# KiCad board 8851_HW-U1-VCU118_REV2-0_071417.kicad_pcb (continued)
## Routing (per net, layer and track width the routed paths; a pad name or vN(x,y) marks a point on that pad's centre or on a via; arc(x,y) is an arc through that point) (continued)
FMCP_HSPC_DP11_M2C_P: length 132.7
  TOP w0.102: J22.Z12 v3(91.5,154.5)
  TOP w0.113: 116.87,84 v2(117.36,84.49)
  07_SIG3 w0.107: v2(117.36,84.49) 117.36,84.78 arc(117.39,84.85) 117.47,84.88 117.64,84.88 arc(117.87,84.98) 117.97,85.21 117.97,85.65 arc(117.94,85.8) 117.85,85.92 117.79,85.98 arc(117.69,86.05) 117.57,86.07 116.95,86.07 arc(117.09,86.41) 116.76,86.27 116.76,86.84 arc(116.88,87.47) 117.25,88.01 117.56,88.33 117.69,88.33 117.71,88.35
  07_SIG3 w0.15: v3(91.5,154.5) 91.16,154.16 arc(91.09,154.05) 91.06,153.92 91.06,152.35 arc(91.1,152.14) 91.22,151.97 92.85,150.34 93.31,149.88 arc(94.44,149.12) 95.79,148.85 96.97,148.85 arc(97.29,148.98) 97.42,149.3 97.42,149.39 arc(97.58,149.77) 97.96,149.93 98.45,149.93 arc(98.89,149.74) 99.07,149.3 arc(99.84,149.62) 99.52,148.85 110.66,148.85 arc(111.48,148.69) 112.18,148.22 113.71,146.69 arc(114.11,146.1) 114.25,145.4 arc(114.31,145.09) 114.49,144.83 114.7,144.61 arc(114.9,144.48) 115.13,144.43 115.32,144.43 arc(115.48,144.42) 115.63,144.4 arc(116.03,144.25) 116.37,144 117.2,143.17 arc(117.58,142.6) 117.71,141.93 117.71,140.52 arc(119.84,140.94) 118.04,139.73 119.85,137.91 arc(120.07,137.58) 120.15,137.2 120.15,134.76 arc(120.02,134.1) 119.64,133.53 arc(119.45,133.24) 119.38,132.9 119.38,109.84 arc(119.33,109.56) 119.17,109.32 119.17,109.32 119.07,109.21 arc(118.94,109.01) 118.89,108.78 118.89,104.26 arc(118.81,103.84) 118.57,103.49 117.42,102.34 arc(117.11,102.13) 116.73,102.06 116.36,102.06 arc(116.18,102.02) 116.02,101.91 115.67,101.56 arc(116.46,101.03) 115.53,101.22 115.53,99.2 arc(115.9,99.36) 115.75,98.98 116.45,98.98 arc(116.64,98.94) 116.81,98.83 arc(117.04,98.49) 117.12,98.09 117.12,97.7 arc(116.85,97.06) 116.21,96.8 115.58,96.8 arc(115.47,96.77) 115.37,96.71 115.33,96.67 arc(115.65,96.54) 115.33,96.41 115.38,96.35 arc(115.46,96.3) 115.56,96.28 116.76,96.28 arc(117.06,96.34) 117.32,96.51 117.53,96.72 arc(117.99,96.91) 118.45,96.72 arc(118.65,96.42) 118.72,96.06 118.72,95.22 arc(119.36,95.48) 119.1,94.84 119.59,94.84 arc(120.06,94.67) 120.29,94.22 arc(120.3,94.19) 120.3,94.16 120.3,92.66 arc(120,91.94) 119.28,91.64 119.17,91.64 arc(118.95,91.69) 118.75,91.82 118.64,91.93 arc(118.09,92.16) 117.53,91.93 117.44,91.84 arc(117.23,91.69) 116.97,91.64 116.14,91.64 arc(115.91,91.6) 115.71,91.46 arc(115.6,91.29) 115.56,91.09 115.56,89.88 arc(115.39,89.48) 114.99,89.31 114.85,89.31 arc(114.78,89.3) 114.73,89.26 114.57,89.1 arc(114.48,88.97) 114.45,88.82 arc(115.04,89.06) 114.8,88.47 116.1,88.47 arc(116.27,88.54) 116.34,88.71 116.34,90.47 arc(116.53,90.92) 116.98,91.11 117.34,91.11 arc(117.82,90.91) 118.02,90.43 118.02,88.96 arc(117.97,88.69) 117.81,88.46 117.71,88.35
FMCP_HSPC_DP12_C2M_N: length 167.6
  TOP w0.102: J22.Z29 v3(70.25,154.5)
  TOP w0.113: v2(115.39,82.52) 115.88,82.03
  03_SIG1 w0.107: v2(115.39,82.52) 115.39,82.23 arc(115.38,82.16) 115.34,82.1 arc(115.29,82.07) 115.24,82.06 115.22,82.06 arc(115.16,82.07) 115.11,82.1 115.06,82.16 arc(115.38,82.37) 115,82.3 115,87.88 arc(115.57,87.77) 115.09,88.1
  03_SIG1 w0.15: v3(70.25,154.5) 70.76,154.5 arc(70.84,154.53) 70.87,154.6 70.87,154.74 arc(70.8,154.88) 70.65,154.94 70.14,154.94 arc(69.91,154.84) 69.81,154.61 69.81,153.13 arc(70.64,153.29) 69.94,152.83 77.87,144.89 arc(78.22,144.66) 78.63,144.58 82.05,144.58 arc(82.64,144.46) 83.13,144.13 84.94,142.32 arc(85.26,142.11) 85.64,142.03 86.68,142.03 arc(87.33,141.9) 87.88,141.54 90.39,139.02 arc(91,138.62) 91.7,138.47 96.41,138.47 arc(96.75,138.34) 96.89,138 96.89,137.9 arc(97.26,138.28) 97.64,137.9 arc(97.81,138.31) 98.21,138.47 98.66,138.47 arc(99,138.34) 99.14,138 99.14,137.9 arc(99.51,138.28) 99.89,137.9 arc(100.06,138.31) 100.46,138.47 100.91,138.47 arc(101.25,138.34) 101.39,138 101.39,137.9 arc(101.76,138.28) 102.14,137.9 arc(102.31,138.31) 102.71,138.47 109.4,138.47 arc(109.97,138.24) 110.2,137.67 110.2,137.37 arc(109.99,136.88) 109.5,136.67 103.82,136.67 arc(104.15,136.35) 103.82,136.02 109.5,136.02 arc(109.99,135.82) 110.2,135.32 110.2,135.05 arc(109.99,134.56) 109.5,134.35 106.07,134.35 arc(106.4,134.02) 106.07,133.7 109.5,133.7 arc(110.2,133) 109.5,132.3 108.15,132.3 arc(108.47,131.97) 108.15,131.65 109.5,131.65 arc(109.99,131.44) 110.2,130.95 arc(109.98,130.43) 109.47,130.22 109.14,130.22 arc(109.03,130.17) 108.99,130.07 108.99,129.76 arc(109.24,129.86) 109.14,129.61 109.68,129.61 arc(110.06,129.45) 110.21,129.08 110.21,128.98 arc(112.3,129.39) 110.53,128.21 112.51,126.23 arc(112.7,125.95) 112.77,125.61 112.77,125.03 arc(113.29,125.25) 113.07,124.73 114.41,124.73 arc(114.87,124.53) 115.06,124.07 115.06,122.59 arc(115.56,122.8) 115.36,122.3 115.65,122.3 arc(116.09,122.12) 116.27,121.68 116.27,104.6 arc(116.16,104.07) 115.86,103.63 arc(117.27,102.69) 115.61,103.02 115.61,100.44 arc(118.02,100.92) 115.98,99.56 116.86,98.67 arc(117.07,98.36) 117.15,97.98 117.15,97.29 arc(117.19,97.07) 117.31,96.89 118.44,95.77 arc(118.65,95.45) 118.72,95.08 118.72,93.66 arc(118.5,92.54) 117.87,91.6 116.65,90.38 arc(117.15,90.18) 116.65,89.97 116.68,89.95 arc(116.77,89.72) 116.68,89.49 116.67,89.49 arc(116.48,89.41) 116.29,89.49 116.23,89.55 arc(116.02,89.63) 115.82,89.55 115.47,89.2 arc(115.19,88.77) 115.09,88.27 115.09,88.1
FMCP_HSPC_DP12_C2M_P: length 170
  TOP w0.102: J22.Z28 v3(71.5,154.5)
  TOP w0.113: v2(115.39,81.54) 115.88,81.05
  03_SIG1 w0.107: v2(115.39,81.54) 114.92,82.01 arc(115.57,82.45) 114.8,82.3 114.8,87.88 arc(114.78,88) 114.71,88.1
  03_SIG1 w0.15: v3(71.5,154.5) 71.42,154.5 arc(71.32,154.54) 71.26,154.64 71.24,154.79 arc(71.04,155.16) 70.65,155.31 70.14,155.31 arc(69.64,155.11) 69.44,154.61 69.44,153.13 arc(70.99,153.44) 69.67,152.56 77.6,144.63 arc(78.08,144.31) 78.63,144.2 82.05,144.2 arc(82.49,144.11) 82.87,143.86 84.67,142.06 arc(85.12,141.76) 85.64,141.66 86.68,141.66 arc(87.18,141.56) 87.61,141.27 90.13,138.75 arc(90.85,138.27) 91.7,138.1 96.41,138.1 arc(96.48,138.07) 96.51,138 96.51,137.9 arc(97.26,138.65) 98.01,137.9 arc(98.07,138.04) 98.21,138.1 98.66,138.1 arc(98.73,138.07) 98.76,138 98.76,137.9 arc(99.51,138.65) 100.26,137.9 arc(100.32,138.04) 100.46,138.1 100.91,138.1 arc(100.98,138.07) 101.01,138 101.01,137.9 arc(101.76,138.65) 102.51,137.9 arc(102.57,138.04) 102.71,138.1 109.4,138.1 arc(109.7,137.98) 109.82,137.67 109.82,137.37 arc(109.73,137.14) 109.5,137.05 103.82,137.05 arc(104.52,136.35) 103.82,135.65 109.5,135.65 arc(109.73,135.55) 109.82,135.32 109.82,135.05 arc(109.73,134.82) 109.5,134.72 106.07,134.72 arc(106.77,134.02) 106.07,133.32 109.5,133.32 arc(109.82,133) 109.5,132.67 108.15,132.67 arc(108.85,131.97) 108.15,131.27 109.5,131.27 arc(109.73,131.18) 109.82,130.95 arc(109.72,130.7) 109.47,130.59 109.14,130.59 arc(108.77,130.44) 108.61,130.07 108.61,129.76 arc(109.51,130.13) 109.14,129.23 109.68,129.23 arc(109.79,129.19) 109.84,129.08 109.84,128.98 arc(110.01,128.35) 110.39,127.82 112.25,125.96 arc(112.36,125.8) 112.39,125.61 112.39,125.03 arc(113.56,125.51) 113.07,124.35 114.41,124.35 arc(114.61,124.27) 114.69,124.07 114.69,122.59 arc(115.83,123.06) 115.36,121.92 115.65,121.92 arc(115.82,121.85) 115.89,121.68 115.89,104.6 arc(115.82,104.22) 115.6,103.89 arc(117.62,102.54) 115.24,103.02 115.24,100.44 arc(118.37,101.07) 115.71,99.29 116.6,98.41 arc(116.73,98.21) 116.77,97.98 116.77,97.29 arc(116.84,96.93) 117.05,96.63 118.17,95.5 arc(118.3,95.31) 118.35,95.08 118.35,93.66 arc(118.16,92.69) 117.6,91.86 115.2,89.46 arc(114.84,88.92) 114.71,88.27 114.71,88.1
FMCP_HSPC_DP12_M2C_N: length 152.3
  TOP w0.102: J22.Y15 v3(87.75,153.25)
  TOP w0.113: 115.88,86.95 v2(115.39,87.44)
  05_SIG2 w0.15: v3(87.75,153.25) 88.25,153.25 arc(88.29,153.24) 88.33,153.22 88.33,153.22 arc(88.35,153.19) 88.36,153.15 88.36,152.79 arc(90.89,153.3) 88.74,151.86 88.74,151.86 94.36,146.25 arc(94.46,146.01) 94.36,145.77 93.92,145.33 arc(94.99,145.33) 94.99,144.27 95.42,144.71 arc(95.66,144.81) 95.9,144.71 arc(96,144.47) 95.9,144.23 95.45,143.78 arc(96.51,143.78) 96.51,142.72 96.96,143.17 arc(97.2,143.27) 97.44,143.17 97.97,142.64 arc(98.32,142.37) 98.73,142.21 98.73,142.13 arc(98.92,142.16) 99.11,142.17 arc(99.8,142.03) 100.39,141.64 111.73,130.3 arc(111.82,130.15) 111.86,129.98 111.86,119.82 arc(113.16,120.08) 112.06,119.34 112.68,118.72 arc(113.28,117.99) 113.72,117.17 arc(113.73,117.14) 113.74,117.12 arc(113.76,117.01) 113.77,116.91 113.77,111.86 arc(114.62,112.22) 114.27,111.36 114.57,111.36 arc(114.86,111.42) 115.12,111.59 arc(115.25,111.79) 115.3,112.03 115.3,121.76 arc(115.32,121.88) 115.39,121.99 115.47,122.07 arc(115.49,122.08) 115.5,122.1 arc(115.66,122.14) 115.81,122.07 arc(115.89,121.95) 115.92,121.82 115.92,111.05 arc(115.85,110.89) 115.69,110.83 115.43,110.83 arc(116.13,110.13) 115.43,109.44 115.63,109.44 arc(115.83,109.36) 115.92,109.16 115.92,104.31 arc(115.86,104.18) 115.72,104.12 115.61,104.12 arc(115.83,104.66) 115.29,104.44 115.29,104.65 arc(115.1,105.12) 114.63,105.32 114.54,105.32 arc(114.1,105.13) 113.92,104.7 113.92,104.44 arc(117.57,105.95) 116.06,102.29 116.43,102.29 arc(116.79,102.28) 117.16,102.23 117.29,102.21 arc(117.45,102.15) 117.58,102.05 118.19,101.45 arc(118.27,101.32) 118.3,101.17 118.3,99.28 arc(118.19,99) 117.91,98.89 116.27,98.89 arc(115.5,98.57) 115.19,97.81 115.19,96.92 arc(115.06,96.29) 114.7,95.76 114.36,95.41 arc(114.03,94.92) 113.91,94.33 113.91,93.73 arc(116.77,94.3) 114.35,92.68 115.21,91.82 arc(115.57,91.58) 115.99,91.49 116.69,91.49 arc(117,91.37) 117.13,91.06 117.13,91.05 arc(117.02,90.8) 116.78,90.7 116.75,90.7 arc(116.2,90.47) 115.97,89.93 115.97,89.65 arc(117.1,90.11) 116.63,88.99 117.15,88.99 arc(117.33,88.91) 117.41,88.72 117.41,88.66 arc(117.34,88.48) 117.16,88.41 116.72,88.41 arc(116.29,88.23) 116.11,87.79 116.11,87.32 arc(116.09,87.23) 116.04,87.15 arc(115.93,87.08) 115.81,87.06 115.7,87.06 arc(115.92,87.59) 115.39,87.37 v2(115.39,87.44)
FMCP_HSPC_DP12_M2C_P: length 135.4
  TOP w0.102: J22.Y14 v3(89,153.25)
  TOP w0.113: 115.88,85.97 v2(115.39,86.46)
  05_SIG2 w0.15: v3(89,153.25) 88.82,153.07 arc(89.32,152.74) 88.73,152.86 88.73,152.79 arc(88.8,152.43) 89.01,152.12 94.63,146.51 arc(94.83,146.01) 94.63,145.5 94.19,145.07 arc(94.72,145.07) 94.72,144.54 95.16,144.97 arc(95.66,145.18) 96.16,144.97 arc(96.37,144.47) 96.16,143.97 95.72,143.52 arc(96.25,143.52) 96.25,142.99 96.69,143.43 arc(97.2,143.64) 97.7,143.43 98.23,142.9 arc(98.5,142.7) 98.82,142.57 arc(98.96,142.55) 99.11,142.54 arc(99.94,142.37) 100.65,141.9 111.99,130.56 arc(112.17,130.29) 112.23,129.98 112.23,119.82 arc(112.82,119.94) 112.32,119.61 112.95,118.98 arc(113.59,118.2) 114.06,117.31 arc(114.08,117.28) 114.09,117.24 114.09,117.23 arc(114.13,117.07) 114.14,116.91 114.14,111.86 arc(114.36,111.95) 114.27,111.74 114.57,111.74 arc(114.72,111.77) 114.85,111.86 arc(114.9,111.93) 114.92,112.03 114.92,121.76 arc(114.97,122.03) 115.13,122.26 115.28,122.4 115.29,122.4 arc(115.7,122.51) 116.08,122.33 arc(116.24,122.1) 116.29,121.82 116.29,111.05 arc(116.11,110.63) 115.69,110.45 115.43,110.45 arc(115.75,110.13) 115.43,109.81 115.63,109.81 arc(116.1,109.62) 116.29,109.16 116.29,104.31 arc(116.12,103.91) 115.72,103.75 115.61,103.75 arc(116.09,104.92) 114.92,104.44 114.92,104.65 arc(114.83,104.86) 114.63,104.94 114.54,104.94 arc(114.36,104.87) 114.29,104.7 114.29,104.44 arc(117.31,105.69) 116.06,102.67 116.43,102.67 arc(116.83,102.65) 117.22,102.6 117.35,102.58 arc(117.62,102.48) 117.85,102.32 118.45,101.71 arc(118.62,101.46) 118.68,101.17 118.68,99.28 arc(118.45,98.73) 117.91,98.51 116.27,98.51 arc(115.77,98.3) 115.56,97.81 115.56,96.92 arc(115.41,96.15) 114.97,95.49 114.63,95.15 arc(114.38,94.77) 114.29,94.33 114.29,93.73 arc(114.37,93.3) 114.61,92.94 114.88,92.67 115.47,92.08 arc(115.71,91.93) 115.99,91.87 116.69,91.87 arc(117.26,91.63) 117.5,91.06 117.5,91.05 arc(117.29,90.54) 116.78,90.33 116.75,90.33 arc(116.46,90.21) 116.35,89.93 116.35,89.65 arc(116.83,89.85) 116.63,89.36 117.15,89.36 arc(117.6,89.18) 117.78,88.72 117.78,88.66 arc(117.6,88.22) 117.16,88.04 116.72,88.04 arc(116.55,87.97) 116.48,87.79 116.48,87.32 arc(116.43,87.08) 116.3,86.88 arc(116.3,86.88) 116.3,86.88 arc(116.07,86.74) 115.82,86.69 115.62,86.69 arc(115.54,86.65) 115.5,86.57 arc(115.47,86.49) v2(115.39,86.46)
FMCP_HSPC_DP13_C2M_N: length 188.4
  TOP w0.102: J22.Y31 v3(67.75,153.25)
  TOP w0.113: 113.91,82.03 v2(113.42,82.52)
  03_SIG1 w0.107: v2(113.42,82.52) 113.42,82.3 arc(113.71,82.42) 113.59,82.13 arc(113.67,82.15) 113.74,82.19 113.76,82.21 arc(113.8,82.27) 113.81,82.35 113.81,87.92 arc(113.79,88.03) 113.73,88.13
  03_SIG1 w0.15: 113.73,88.13 113.73,90.72 arc(113.97,91.3) 114.54,91.53 114.77,91.53 arc(114.97,91.62) 115.05,91.81 115.05,91.85 arc(114.96,92.08) 114.73,92.17 114.4,92.17 arc(114.87,93.29) 113.75,92.83 113.75,95.03 arc(113.94,95.5) 114.41,95.7 114.76,95.7 arc(114.93,95.77) 115,95.94 115,96.01 arc(114.91,96.23) 114.69,96.33 114.4,96.33 arc(114.87,97.45) 113.75,96.98 113.75,101 arc(115.24,100.7) 113.97,101.55 arc(114.04,101.65) 114.06,101.77 114.06,102.21 arc(113.97,102.43) 113.76,102.52 113.13,102.52 arc(113.51,103.44) 112.6,103.06 arc(112.85,103.67) 113.47,103.93 113.76,103.93 arc(113.91,103.96) 114.05,104.05 114.36,104.36 arc(114.63,104.77) 114.73,105.26 114.73,105.81 arc(114.72,105.88) 114.68,105.93 arc(116.45,107.12) 114.36,106.7 114.36,108.32 arc(114.38,108.46) 114.43,108.59 arc(114.48,108.68) 114.54,108.76 arc(114.69,108.97) 114.74,109.22 114.74,117.6 arc(114.62,117.87) 114.35,117.98 113.6,117.98 arc(114.26,118.64) 113.6,119.29 114.35,119.29 arc(114.58,119.39) 114.67,119.61 114.67,119.79 arc(114.57,120.31) 114.27,120.76 111.86,123.17 arc(111.39,123.87) 111.23,124.7 arc(111.13,125.18) 110.86,125.58 110.02,126.42 107.51,128.93 arc(107.32,129.22) 107.25,129.57 arc(107.13,130.17) 106.78,130.69 102.12,135.35 arc(101.43,135.81) 100.62,135.97 94.58,135.97 arc(94.43,136) 94.31,136.09 93.96,136.43 arc(93.76,136.57) 93.52,136.62 90.88,136.62 arc(90.47,136.7) 90.13,136.92 87.6,139.45 86.91,140.14 arc(86.74,140.26) 86.55,140.29 84.11,140.29 arc(84.48,141.19) 83.59,140.82 83.59,141.13 arc(83.46,141.42) 83.17,141.54 82.13,141.54 arc(82.61,142.7) 81.46,142.22 81.46,142.72 arc(81.16,143.02) 80.86,142.72 80.86,142.22 arc(80.18,142.89) 79.51,142.22 79.51,142.72 arc(79.21,143.02) 78.91,142.72 78.91,142.22 arc(78.71,141.74) 78.23,141.54 76.79,141.54 arc(77.46,142.22) 76.79,142.89 77.05,142.89 arc(77.3,143.06) 77.24,143.35 76.29,144.31 arc(76.22,144.35) 76.15,144.37 75.85,144.37 arc(75.61,144.27) 75.51,144.03 75.51,142.22 arc(75.31,141.74) 74.84,141.54 74.33,141.54 arc(73.24,141.76) 72.32,142.38 71.12,143.58 arc(71.03,143.64) 70.94,143.65 arc(71.62,145.31) 69.97,144.62 69.97,146.34 arc(70.64,147.01) 71.32,146.34 71.32,145.3 arc(71.81,145.53) 71.67,145 72.28,145 arc(72.69,144.92) 73.04,144.69 arc(73.23,144.4) 73.3,144.06 73.3,143.88 arc(73.67,144.25) 74.04,143.88 74.04,144.28 arc(75.82,143.93) 74.31,144.94 74.36,144.99 74.42,145.02 arc(74.48,145.07) 74.5,145.15 74.5,145.7 arc(74.46,145.81) 74.35,145.85 72.51,145.85 arc(72.93,146.86) 71.92,146.44 71.92,146.64 arc(73.62,146.3) 72.18,147.26 72.59,147.68 arc(72.65,147.83) 72.59,147.97 72.19,148.37 arc(72.06,148.43) 71.93,148.37 71.41,147.86 arc(71.14,147.67) 70.82,147.61 70.64,147.61 arc(71.12,148.76) 69.97,148.29 69.97,148.4 arc(71.31,148.13) 70.17,148.9 70.72,149.45 arc(70.8,149.64) 70.72,149.84 70.39,150.17 arc(70.17,150.26) 69.96,150.17 69.83,150.05 arc(69.46,149.9) 69.09,150.05 68.74,150.4 arc(69.64,150.77) 68.74,151.14 68.77,151.17 arc(68.86,151.39) 68.77,151.61 68.68,151.7 arc(70.53,152.93) 68.35,152.5 68.35,153.01 arc(68.28,153.18) 68.11,153.25 v3(67.75,153.25)
FMCP_HSPC_DP13_C2M_P: length 172.2
  TOP w0.102: J22.Y30 v3(69,153.25)
  TOP w0.113: 113.91,81.05 v2(113.42,81.54)
  03_SIG1 w0.107: v2(113.42,81.54) 113.42,81.8 arc(113.46,81.89) 113.55,81.93 113.59,81.93 arc(113.75,81.96) 113.88,82.05 113.9,82.07 arc(113.98,82.2) 114.01,82.35 114.01,87.92 arc(114.59,87.8) 114.1,88.13
  03_SIG1 w0.15: v3(69,153.25) 68.81,153.06 arc(68.75,152.97) 68.73,152.87 arc(69.31,152.86) 68.73,152.86 68.73,152.5 arc(70.18,152.79) 68.95,151.96 69.03,151.88 arc(69.24,151.39) 69.03,150.9 69.01,150.88 arc(69.26,150.77) 69.01,150.67 69.36,150.32 arc(69.46,150.27) 69.57,150.32 69.69,150.44 arc(70.17,150.64) 70.66,150.44 70.99,150.11 arc(71.18,149.64) 70.99,149.18 70.44,148.63 arc(70.37,148.53) 70.34,148.4 70.34,148.29 arc(70.85,148.5) 70.64,147.99 70.82,147.99 arc(71,148.02) 71.15,148.12 71.66,148.64 arc(72.06,148.8) 72.45,148.64 72.86,148.24 arc(73.03,147.83) 72.86,147.41 72.44,147 arc(72.33,146.83) 72.29,146.64 72.29,146.44 arc(72.67,146.6) 72.51,146.23 74.35,146.23 arc(74.73,146.07) 74.88,145.7 74.88,145.15 arc(74.8,144.87) 74.58,144.68 74.58,144.67 arc(74.46,144.49) 74.41,144.28 74.41,143.88 arc(73.67,144.63) 72.92,143.88 72.92,144.06 arc(72.88,144.26) 72.77,144.43 arc(72.55,144.58) 72.28,144.63 71.74,144.63 71.74,144.63 arc(72.05,145.82) 70.94,145.3 70.94,146.34 arc(70.64,146.64) 70.34,146.34 70.34,144.62 arc(71.36,145.04) 70.94,144.03 arc(71.18,143.98) 71.38,143.84 72.58,142.64 arc(73.39,142.11) 74.33,141.92 74.84,141.92 arc(75.05,142.01) 75.14,142.22 75.14,144.03 arc(75.35,144.53) 75.85,144.74 76.15,144.74 arc(76.37,144.7) 76.55,144.57 77.51,143.62 arc(77.65,142.92) 77.05,142.52 76.79,142.52 arc(77.09,142.22) 76.79,141.92 78.23,141.92 arc(78.45,142.01) 78.53,142.22 78.53,142.72 arc(79.21,143.4) 79.88,142.72 79.88,142.22 arc(80.18,142.52) 80.48,142.22 80.48,142.72 arc(81.16,143.4) 81.83,142.72 81.83,142.22 arc(82.35,142.43) 82.13,141.92 83.17,141.92 arc(83.73,141.69) 83.96,141.13 83.96,140.82 arc(84.22,140.93) 84.11,140.67 86.55,140.67 arc(86.89,140.6) 87.18,140.41 87.68,139.9 90.4,137.19 arc(90.62,137.04) 90.88,136.99 93.52,136.99 arc(93.9,136.91) 94.23,136.7 94.58,136.35 100.62,136.35 arc(101.57,136.16) 102.38,135.62 107.05,130.95 arc(107.47,130.32) 107.62,129.57 arc(107.66,129.37) 107.78,129.19 110.17,126.8 111.13,125.85 arc(111.48,125.32) 111.6,124.7 arc(115.05,125.39) 112.13,123.43 114.53,121.03 arc(114.91,120.46) 115.05,119.79 115.05,119.61 arc(114.84,119.12) 114.35,118.92 113.6,118.92 arc(113.88,118.64) 113.6,118.36 114.35,118.36 arc(114.89,118.13) 115.11,117.6 115.11,109.22 arc(115.03,108.82) 114.81,108.49 arc(114.78,108.46) 114.76,108.43 arc(115.23,108.26) 114.74,108.32 114.74,106.7 arc(116.11,106.97) 114.95,106.2 arc(115.07,106.02) 115.11,105.81 115.11,105.26 arc(114.98,104.63) 114.62,104.09 114.31,103.78 arc(114.06,103.61) 113.76,103.55 113.47,103.55 arc(113.12,103.41) 112.97,103.06 arc(113.25,103.17) 113.13,102.89 113.76,102.89 arc(114.24,102.69) 114.44,102.21 114.44,101.77 arc(114.39,101.5) 114.24,101.28 arc(114.15,101.15) 114.12,101 114.12,96.98 arc(114.6,97.18) 114.4,96.7 114.69,96.7 arc(115.18,96.5) 115.38,96.01 115.38,95.94 arc(115.2,95.5) 114.76,95.32 114.41,95.32 arc(114.21,95.24) 114.12,95.03 114.12,92.83 arc(114.6,93.03) 114.4,92.55 114.73,92.55 arc(115.22,92.34) 115.42,91.85 115.42,91.81 arc(115.23,91.35) 114.77,91.16 114.54,91.16 arc(114.23,91.03) 114.1,90.72 114.1,88.13
FMCP_HSPC_DP13_M2C_N: length 168.7
  TOP w0.102: J22.Z17 v3(85.25,154.5)
  TOP w0.113: v2(114.41,85.48) 114.9,84.98
  05_SIG2 w0.107: v2(114.41,85.48) 114.41,85.17 arc(114.6,85.24) 114.5,85.06 114.51,85.06 114.69,85.06 arc(114.76,85.09) 114.8,85.17 114.8,87.81 arc(114.77,87.93) 114.71,88.02
  05_SIG2 w0.15: v3(85.25,154.5) 85.54,154.5 arc(85.64,154.46) 85.69,154.35 85.69,152.4 arc(85.58,152.15) 85.33,152.05 84.77,152.05 arc(85.52,151.3) 84.77,150.55 86.63,150.55 arc(86.89,150.43) 86.97,150.16 arc(86.85,149.95) 86.63,149.87 84.5,149.87 arc(85.25,149.12) 84.5,148.37 85.47,148.37 arc(85.61,148.31) 85.67,148.17 85.67,147.97 arc(85.77,147.47) 86.05,147.05 87.09,146.01 arc(87.62,145.79) 88.15,146.01 89.39,147.25 arc(89.63,147.35) 89.87,147.25 arc(89.97,147.01) 89.87,146.77 88.63,145.53 arc(89.69,145.53) 89.69,144.47 90.93,145.71 arc(91.17,145.81) 91.41,145.71 arc(91.51,145.47) 91.41,145.23 90.17,143.99 arc(91.45,143.46) 90.17,142.93 90.82,142.28 arc(90.99,142.03) 91.05,141.73 arc(92.37,142.27) 91.82,140.95 93.07,140.95 arc(93.63,140.84) 94.1,140.53 95.01,139.61 arc(95.17,139.38) 95.22,139.1 arc(96.97,139.45) 95.49,138.46 95.79,138.16 arc(96,138.02) 96.24,137.98 96.39,137.98 arc(96.92,138.19) 97.14,138.73 97.14,139.38 arc(97.47,139.71) 97.81,139.38 97.81,138.73 arc(99.09,139.26) 98.56,137.98 100.79,137.98 arc(100.9,137.95) 101,137.89 109.42,129.47 arc(109.61,129.18) 109.68,128.84 109.68,118.92 arc(111.68,119.31) 109.98,118.18 110.44,117.72 arc(110.59,117.5) 110.64,117.24 110.64,111.35 arc(113,111.82) 111,110.48 111.29,110.19 arc(111.43,109.98) 111.48,109.72 111.48,108.82 arc(112.67,109.31) 112.18,108.13 112.61,108.13 arc(112.89,107.84) 112.61,107.56 112.23,107.56 arc(111.72,107.35) 111.51,106.84 111.51,103.62 arc(111.45,103.35) 111.3,103.12 111.01,102.83 arc(112.92,101.55) 110.66,102 110.66,100.04 arc(112.02,100.61) 111.46,99.25 113.97,99.25 arc(114.27,98.95) 113.97,98.66 111.22,98.66 arc(110.83,98.49) 110.66,98.09 110.66,97.26 arc(110.63,97.13) 110.56,97.01 110.38,96.84 arc(111.31,96.22) 110.22,96.43 110.22,96.17 arc(111.4,96.66) 110.91,95.48 112.61,95.48 arc(112.89,95.2) 112.61,94.91 110.8,94.91 arc(110.39,94.74) 110.22,94.33 110.22,94.16 arc(111.99,94.51) 110.49,93.51 110.83,93.16 arc(111.33,92.95) 111.82,93.16 112.25,93.59 arc(112.41,93.66) 112.57,93.59 112.7,93.46 arc(112.74,93.35) 112.7,93.24 112.21,92.76 arc(113.19,92.76) 113.19,91.78 113.21,91.8 arc(113.4,91.88) 113.59,91.8 113.66,91.73 arc(113.72,91.59) 113.66,91.44 113.58,91.37 arc(114.59,90.96) 113.58,90.54 114.41,89.71 arc(114.63,89.39) 114.71,89 114.71,88.02
FMCP_HSPC_DP13_M2C_P: length 142
  TOP w0.102: J22.Z16 v3(86.5,154.5)
  TOP w0.113: v2(114.41,84.49) 114.9,84
  05_SIG2 w0.107: v2(114.41,84.49) 114.41,84.75 arc(114.44,84.83) 114.51,84.86 114.69,84.86 arc(114.9,84.95) 115,85.17 115,87.82 arc(115.02,87.93) 115.08,88.02
  05_SIG2 w0.15: v3(86.5,154.5) 86.38,154.38 arc(86.15,154.03) 86.06,153.61 86.06,152.4 arc(85.85,151.89) 85.33,151.67 84.77,151.67 arc(85.15,151.3) 84.77,150.92 86.63,150.92 arc(87.17,150.67) 87.34,150.1 arc(87.1,149.67) 86.63,149.5 84.5,149.5 arc(84.88,149.12) 84.5,148.75 85.47,148.75 arc(85.88,148.58) 86.04,148.17 86.04,147.97 arc(86.11,147.62) 86.32,147.32 87.36,146.27 arc(87.62,146.16) 87.89,146.27 89.13,147.51 arc(89.63,147.72) 90.13,147.51 arc(90.34,147.01) 90.13,146.5 88.9,145.27 arc(89.43,145.27) 89.43,144.73 90.67,145.97 arc(91.17,146.18) 91.67,145.97 arc(91.88,145.47) 91.67,144.97 90.43,143.73 arc(91.07,143.46) 90.43,143.2 91.09,142.55 arc(91.34,142.17) 91.43,141.73 arc(92.11,142.01) 91.82,141.33 93.07,141.33 arc(93.77,141.19) 94.37,140.79 95.28,139.88 arc(95.52,139.52) 95.6,139.1 arc(96.62,139.3) 95.76,138.73 96.05,138.43 arc(96.14,138.37) 96.24,138.35 96.39,138.35 arc(96.65,138.46) 96.76,138.73 96.76,139.38 arc(97.47,140.09) 98.19,139.38 98.19,138.73 arc(98.83,138.99) 98.56,138.35 100.79,138.35 arc(101.05,138.3) 101.26,138.15 109.68,129.73 arc(109.96,129.33) 110.05,128.84 110.05,118.92 arc(111.33,119.17) 110.25,118.45 110.71,117.98 arc(110.94,117.64) 111.01,117.25 111.01,111.36 arc(111.01,111.35) 111.01,111.35 arc(111.08,111.02) 111.26,110.75 111.55,110.46 arc(111.78,110.12) 111.86,109.72 111.86,108.82 arc(112.4,109.05) 112.18,108.5 112.61,108.5 arc(113.26,107.84) 112.61,107.19 112.23,107.19 arc(111.98,107.09) 111.88,106.84 111.88,103.62 arc(111.8,103.21) 111.56,102.86 111.27,102.57 arc(112.57,101.69) 111.04,102 111.04,100.04 arc(111.75,100.34) 111.46,99.62 113.97,99.62 arc(114.64,98.95) 113.97,98.28 111.22,98.28 arc(111.09,98.23) 111.04,98.09 111.04,97.26 arc(110.98,96.98) 110.82,96.75 110.65,96.57 arc(110.61,96.51) 110.59,96.43 110.59,96.17 arc(111.14,96.4) 110.91,95.85 112.61,95.85 arc(113.26,95.2) 112.61,94.54 110.8,94.54 arc(110.65,94.48) 110.59,94.33 110.59,94.16 arc(110.63,93.95) 110.75,93.77 111.1,93.42 arc(111.33,93.33) 111.55,93.42 111.98,93.86 arc(112.41,94.03) 112.83,93.86 112.96,93.73 arc(113.12,93.35) 112.96,92.98 112.48,92.49 arc(112.93,92.49) 112.93,92.04 112.95,92.06 arc(113.4,92.25) 113.85,92.06 113.92,92 arc(114.09,91.59) 113.92,91.18 113.85,91.11 arc(114.21,90.96) 113.85,90.81 114.68,89.98 arc(114.98,89.53) 115.08,89 115.08,88.02
